# Altium PCB MOTHERBOARD_Hristo_JLC2313.PcbDoc (part 3 of 4)
Units mm, origin at the board's own origin, x right, y up, seen from the top; angles counter-clockwise.
Board outline 100 x 50 mm, 4 copper layers (Top Layer, GND, Power, Bottom Layer), stack 1.548 mm thick; 230 components, 233 nets, 1062 pads, 1045 vias.
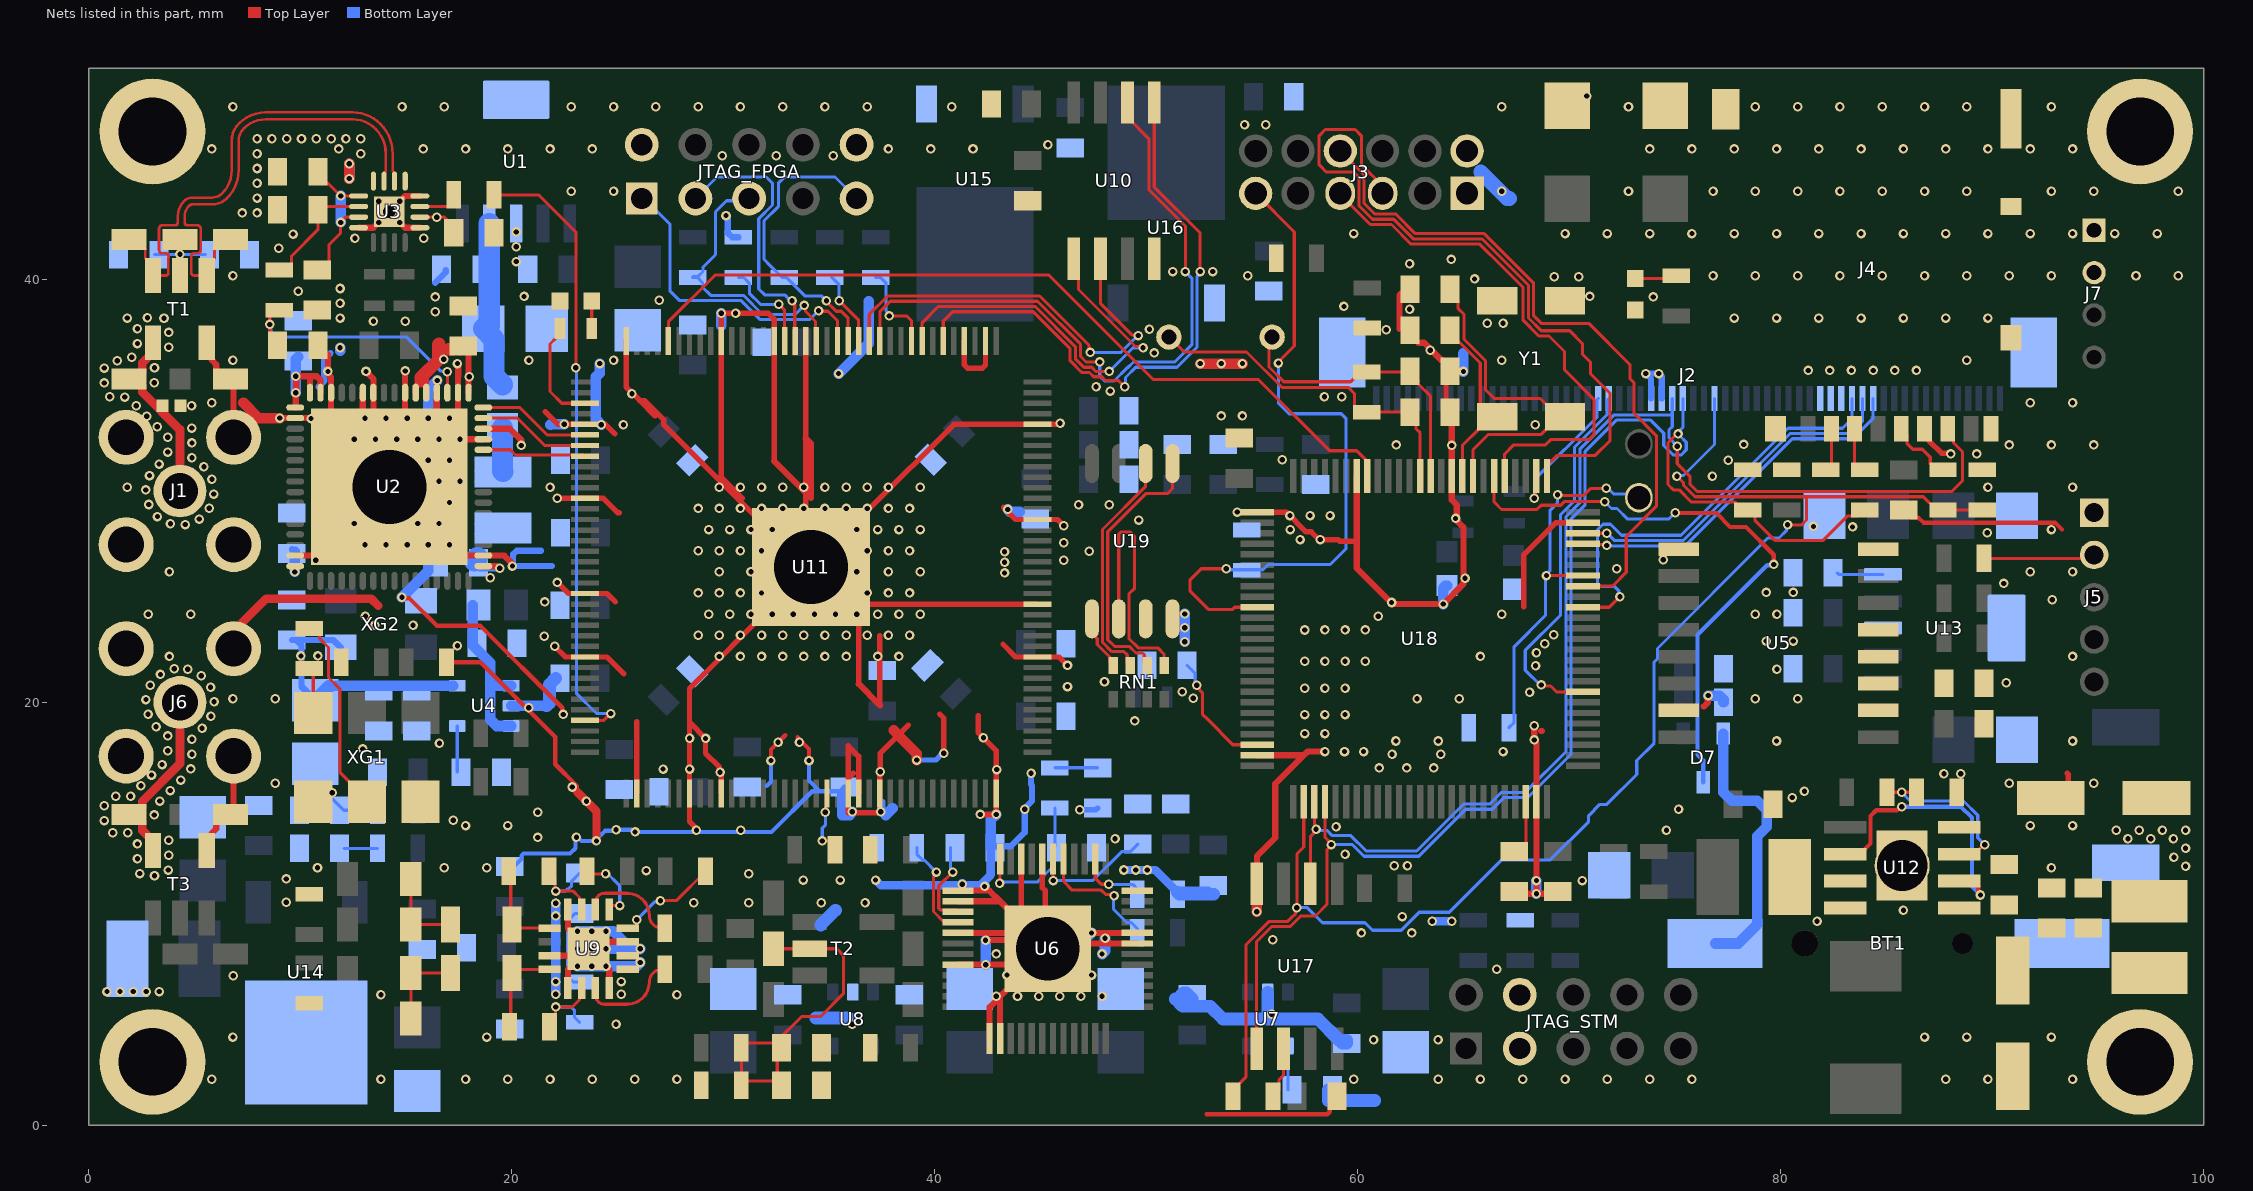
[diagram p5: the nets of this part, all layers, seen from the top]

## Via types
v1: diameter 0.45, hole 0.25, Top Layer to Bottom Layer, tented both sides, 1045 vias

## Nets (pads, with @x,y where several pads share a name; then routed paths per layer and width w, separated by ;. In a path a pad name is that pad's centre, name@x,y a point inside that pad or via, vN(x,y) a via of type N, cw(c..) or ccw(c..) an arc to the next point about the centre after c; other vN are vias at no path point) (continued)
FPGA_FLASH_CE: U10.1 U11.8 | length 19.4
  Top Layer w0.147: U11.8@39.4,37.1 39.4,37.953 40.17,38.723 44.403,38.723 44.753,38.723 46.648,36.828 46.648,36.478 46.648,36.253 47.051,35.85 47.416,35.85 47.616,35.65 v1(48.25,35.65) ; U10.1@46.57,40.975 46.797,40.748 46.797,39.528 49.492,36.833 49.792,36.833 v1(49.85,36.775)
  Bottom Layer w0.147: v1(48.25,35.65) 49.375,36.775 v1(49.85,36.775)
FPGA_FLASH_MISO: U10.2 U11.13 | length 20.5
  Top Layer w0.147: U11.13@36.9,37.1 36.9,38.35 37.77,39.22 44.959,39.22 47.292,36.887 47.292,36.608 v1(47.35,36.55) ; U10.2@47.84,40.975 47.84,38.86 49.319,37.381 49.594,37.381 v1(49.625,37.35)
  Bottom Layer w0.147: v1(47.35,36.55) 48.799,36.55 49.599,37.35 v1(49.625,37.35)
FPGA_FLASH_MOSI: U10.5 U11.6 | length 28.5
  Top Layer w0.147: U11.6@40.4,37.1 40.4,38.025 40.85,38.475 44.65,38.475 46.4,36.725 46.4,36.15 46.948,35.602 47.313,35.602 47.513,35.402 47.897,35.402 48.074,35.225 48.675,35.225 v1(48.977,34.923) ; U10.5@50.38,48.375 50.38,44.37 52.55,42.2 v1(52.55,40.375)
  Bottom Layer w0.147: v1(48.977,34.923) 49.019,34.965 49.019,35.369 49.5,35.85 51.451,35.85 52.407,36.806 52.407,40.15 52.55,40.293 v1(52.55,40.375)
FPGA_FLASH_SCK: U10.6 U11.12 | length 32.1
  Top Layer w0.147: U11.12@37.4,37.1 37.4,38.475 37.897,38.972 44.856,38.972 46.897,36.931 46.897,36.356 47.153,36.1 v1(47.8,36.1) ; U10.6@49.11,48.375 49.11,47.677 50.125,46.662 50.125,44.255 51.85,42.53 v1(51.85,40.375)
  Bottom Layer w0.147: v1(47.8,36.1) 47.8,35.421 48.021,35.2 48.475,35.2 49.125,35.85 49.149,35.85 49.397,36.098 51.348,36.098 52.159,36.909 52.159,40.066 v1(51.85,40.375)
FPGA_SYNC: U11.32 U18.18 | length 39.2
  Top Layer w0.147: U11.32@27.4,37.1 27.4,37.999 29.615,40.214 45.387,40.214 50.333,35.269 55.304,35.269 58.672,31.9 59.947,31.9 60.373,31.474 60.373,30.777 U18.18@60.45,30.7
GND: BT1.1 C1.2 C2.2 C3.2 C4.2 C5.2 C6.1 C7.1 C8.1 C9.1 C10.2 C11.2 C12.2 C14.1 C15.1 C16.2 C17.1 C18.1 C19.1 C20.1 C21.1 C22.1 C23.2 C24.1 C25.1 C26.1 C27.1 C28.1 C29.1 C30.2 C31.2 C32.1 C33.1 C34.1 C35.1 C36.1 C37.2 C38.2 C39.1 C40.1 C41.2 C42.1 C43.2 C44.1 C45.1 C46.1 C47.1 C48.1 C50.1 C56.2 C57.2 C58.2 C59.2 C60.2 C61.2 C62.2 C63.2 C64.2 C65.2 C66.2 C67.2 C68.2 C69.2 C70.2 C71.2 C72.2 C73.2 C74.1 C75.1 C76.1 C77.2 C78.2 C79.2 C80.1 C81.2 C82.1 C83.1 C84.1 C85.2 C86.2 C87.1 C88.1 C89.2 C90.1 C91.1 C92.1 C93.1 C94.1 C95.2 C96.2 C97.2 C98.2 C99.2 C100.1 C101.1 C102.1 C103.2 C104.2 C105.2 C106.2 C107.2 C108.1 C109.1 C110.1 C111.1 C112.2 C113.1 D1.2 D2.2 D3.2 D4.2 D6.2 J1.1 J1.2 J1.3 J1.4 J2.27 J2.28 J2.43 J2.44 J2.45 J2.61 J2.62 J3.1 J3.2 J4.6 J4.MP1 J4.MP2 J4.MP3 J4.MP4 J4.MP5 J4.MP6 J5.1 J6.1 J6.2 J6.3 J6.4 J7.1 J7.2 JTAG_FPGA.2 JTAG_FPGA.10 JTAG_STM.3 JTAG_STM.4 pad. R8.2 R10.2 R12.2 R13.2 R14.2 R19.1 R20.1 R21.1 R26.1 R27.1 R28.1 R31.1 R33.2 R34.1 R41.2 R50.2 R52.1 R59.1 R63.1 T1.6 T1.10 T3.4 T3.11 U1.3 U1.6 U2.2 U2.4 U2.7 U2.10 U2.11 U2.14 U2.18 U2.31 U2.50 U2.61 U2.65 U3.4 U3.9 U3.12 U3.17 U4.2 U5.2 U5.8 U5.9 U5.15 U6.1 U6.2 U6.19 U6.20 U6.24 U6.31 U6.33 U6.37 U6.38 U6.41 U6.44 U6.49 U7.2 U8.2 U9.1 U9.4 U9.5 U9.6 U9.7 U9.12 U9.15 U9.17 U10.4 U11.2 U11.4 U11.19 U11.22 U11.27 U11.36 U11.41 U11.48 U11.57 U11.63 U11.74 U11.79 U11.82 U11.94 U11.95 U11.97 U11.108 U11.118 U11.123 U11.131 U11.140 U11.145 U12.4 U12.8 U12.9 U13.3 U13.6 U14.2 U15.1 U16.1 U17.4 U18.10 U18.19 U18.26 U18.49 U18.74 U18.99 U19.3 U19.4 XG1.3 XG2.2 Y1.2 Y1.3 | length 517.5
  Top Layer w0.2: v1(14.801,24.969) 14.849,24.921 15.153,24.921 16.444,23.63 18.498,23.63 22.378,19.75 22.378,19.479 v1(22.426,19.431) ; R8.2@16.775,21.9 R8.2@16.9,21.9 18.514,21.9 22.05,18.364 22.05,17.075 23.078,16.047 23.078,15.772 ; v1(24.925,13.975) v1@24.925,14.043 ; v1(32.25,17.25) 32.25,17.775 v1(32.588,18.113) 32.925,18.45 ; 33.5,18.35 34.05,17.8 v1(34.05,17.25) ; 52.85,0.525 52.852,0.523 58.558,0.523 58.675,0.641 58.675,1.025 C103.2@59.025,1.375 ; C31.2@85.785,29.1 86.135,28.75 86.505,28.75 86.755,28.5 92.981,28.5 93.306,28.175 ; R19.1@89.525,31 R19.1@89.825,31
  Top Layer w0.254: 21.575,33.75 22.175,33.15 U11.41@23.45,33.15 24.425,33.15 24.875,32.7 ; v1(22.025,22.65) 22.525,22.15 U11.63@23.45,22.15 24.5,22.15 25.3,21.35 ; v1(22.15,25.675) 22.675,25.15 U11.57@23.45,25.15 24.5,25.15 24.9,24.75 ; v1(22.15,29.65) U11.48@23.45,29.65 24.326,29.65 25.001,28.975 25.075,28.975 ; U11.36@25.4,37.1 25.4,34.925 25.7,34.625 26.052,34.273 ; U11.74@25.9,15.7 25.9,19.1 ; 26.775,33.55 26.052,34.273 ; 28.416,19.04 v1(29.158,18.298) 29.158,17.59 29.808,16.94 29.808,16.735 v1(29.846,16.698) ; v1@28.8,13.975 28.4,14.375 U11.79@28.4,15.7 v1(28.4,16.85) v1(28.4,18.3) 28.4,19.04 28.4,20.65 29.9,22.15 30.866,23.116 U11.145@34.15,26.4 ; v1@29.8,16.69 29.9,16.591 U11.82@29.9,15.7 ; U11.145@32.032,25.15 33.282,26.4 U11.145@33.925,26.4 ; 32.4,31.411 U11.22@32.4,37.1 32.4,38.125 32.125,38.4 v1(30.575,38.4) v1(29.9,38.4) U11.27@29.9,37.1 29.9,36.185 29.899,36.184 29.899,30.65 30.34,30.209 30.899,29.65 30.675,29.65 ; U11.19@33.9,37.1 33.9,32.484 33.9,29.911 33.9,29.175 33.9,26.649 U11.145@34.15,26.4 ; v1@35.9,14.775 U11.94@35.9,15.7 35.9,16.4 ; U11.145@35.9,24.649 36.4,24.149 36.4,22.175 36.4,20.876 ; v1(36.1,14.825) 36.15,14.775 37.251,14.775 37.4,14.924 U11.97@37.4,15.7 37.4,16.7 v1(37.425,16.725) 37.425,17.6 38.275,18.45 38.754,18.929 ; 36.15,16.65 35.9,16.4 ; U11.95@36.4,15.7 36.4,17.45 35.9,17.95 35.9,16.4 ; 37.4,23.149 37.4,22.175 37.4,19.876 37.427,19.849 ; 40.225,19.45 40.425,19.25 v1(40.425,17.6) ; U11.4@41.4,37.1 41.4,35.956 41.551,35.805 42.251,35.805 42.4,35.954 U11.2@42.4,37.1 ; 42.05,19.366 42.05,18.581 v1(42.302,18.329) ; v1@42.275,18.35 42.9,17.725 U11.108@42.9,15.7 v1(42.9,14.7) ; 43.225,22.75 43.825,22.15 U11.118@44.85,22.15 45.875,22.15 v1(46.275,21.75) ; v1@43.25,29.225 43.825,28.65 U11.131@44.85,28.65 45.8,28.65 v1(46.1,28.35) ; U6.33@44.089,12.582 44.089,9.594 U6.49@44.589,9.094 ; U11.123@44.85,24.65 35.899,24.65 U11.145@34.15,26.4 ; U6.31@45.089,12.582 45.089,11.236 45.225,11.1 U6.49@45.225,8.458 ; v1(45.925,33.2) 45.872,33.2 45.822,33.15 U11.140@44.85,33.15 40.9,33.15 36.866,29.116 U11.145@34.15,26.4 ; v1(54.3,29) U18.26@55.25,29 56.625,29 57.557,28.068 57.804,28.068 58.172,27.7 59.077,27.7 59.152,27.625 59.95,27.625 ; C111.1@64.175,33.325 C110.1@64.175,35.967 ; 67.85,24.525 67.85,26.975 69.375,28.5 U18.99@70.65,28.5 ; U12.9@84.806,11.175 84.806,12.631 85.113,12.938 pad.@85.275,12.775 ; pad.@85.437,12.938 85.806,12.569 pad.@85.806,11.175 ; J4.6@86.8,32.95 87.023,32.727 87.023,32.37 87.606,31.788 88.012,31.788 v1(88.05,31.75) ; C78.2@92.738,15.475 C78.2@92.775,15.475 92.921,15.475 93.594,16.148 93.594,16.606 93.55,16.65 ; 26.052,34.273 26.277,34.273 27.175,33.374 27.175,33.15 30.228,30.097 30.675,29.65 ; 30.675,29.65 32.228,28.097 U11.145@33.925,26.4 ; U11.145@33.925,26.4 U11.145@34.15,26.4
  Top Layer w0.293: T3.11@5.57,12.99 5.803,13.223 5.803,13.803 6.022,14.022 6.022,14.347 6.375,14.7 T3.4@6.7,14.7 6.84,14.84 J6.2@6.84,17.46 J6.2@6.84,17.96 ; T1.10@5.57,37.01 5.803,36.777 5.803,36.197 6.022,35.978 6.022,35.653 6.375,35.3 T1.6@6.7,35.3 6.84,35.16 J1.3@6.84,32.54 J1.3@6.84,32.04 ; v1(9.027,33.447) U2.18@9.75,33.447 10.95,33.447 U2.65@11.45,32.947 ; U2.31@9.75,26.947 10.95,26.947 U2.65@14.2,30.197 ; C12.2@10.825,36.9 10.825,36.754 11.128,36.45 11.3,36.45 v1(11.3,35.65) 11.33,35.62 11.33,35.495 11.449,35.376 11.449,34.648 U2.14@11.45,34.647 U2.65@11.45,32.947 ; U3.4@12.75,42.45 13.45,42.45 v1(13.7,42.7) U3.17@14.2,43.2 ; U2.11@12.95,34.647 U2.65@12.95,31.447 ; v1(13.1,35.65) 13.45,35.3 U2.10@13.45,34.647 U2.65@13.45,30.947 ; v1(14.95,35.675) 14.95,33.444 U2.65@14.95,30.947 ; U3.9@15.65,42.45 14.95,42.45 U3.17@14.2,43.2 ; U3.12@15.65,43.95 14.95,43.95 U3.17@14.2,43.2 ; v1(16.475,35.225) 16.451,35.201 16.451,34.648 U2.4@16.45,34.647 U2.65@16.45,32.447 ; v1(17.425,36.025) 17.425,35.983 17.464,35.944 17.464,35.424 17.45,35.41 U2.2@17.45,34.647 17.45,33.447 U2.65@16.45,32.447 ; U2.61@18.65,32.447 v1(17.55,32.447) v1(16.55,32.447) U2.65@16.45,32.447 ; v1(20.025,26.45) 19.995,26.48 19.995,26.593 19.641,26.947 U2.50@18.65,26.947 17.45,26.947 U2.65@14.2,30.197 ; 32.4,31.411 33.9,29.911 34.15,29.661 34.15,32.234 33.9,32.484 ; 36.4,20.876 37.4,19.876 ; U6.44@41.1,7.6 v1(42.41,7.6) 43.72,7.6 43.857,7.736 44.434,7.736 U6.49@44.583,7.588 ; U6.41@41.1,9.1 41.103,9.097 44.586,9.097 45.339,8.344 U6.49@45.333,8.338 ; U6.38@41.1,10.6 43.083,10.6 ; U6.37@41.1,11.1 42.583,11.1 43.083,10.6 ; v1(42.4,8.75) 42.418,8.768 44.276,8.768 44.589,9.081 45.219,8.452 U6.49@45.333,8.338 ; U6.1@42.589,4.106 42.589,5.594 v1@43.089,6.094 ; U6.2@43.089,4.106 v1@43.089,6.094 ; U6.49@44.089,9.594 43.083,10.6 ; U6.49@44.589,7.581 U6.49@44.583,7.588 ; U6.49@45.338,8.35 45.588,8.6 U6.19@49.576,8.6 ; U6.49@46.469,8.614 46.956,9.1 v1(47.41,9.1) U6.20@49.576,9.1 ; U17.4@55.22,11.425 55.243,11.448 55.243,12.74 56.1,13.597 56.1,16.15 57.45,17.5 ; U18.49@55.25,17.5 57.45,17.5 ; v1(58.45,17.675) 57.625,17.675 57.45,17.5 ; U18.19@59.95,30.7 59.95,26.35 61.65,24.65 v1(64.05,24.65) 65,25.6 65,28.283 64.625,28.658 64.625,28.742 64.686,28.804 64.686,29.339 64.45,29.576 U18.10@64.45,30.7 64.448,30.702 64.448,32.148 v1@64.45,32.15 ; 61.975,37.667 61.975,39.25 C106.2@62.275,39.55 ; C107.2@62.275,37.508 62.375,37.508 62.878,37.005 63.137,37.005 63.972,36.17 64.072,36.17 64.175,36.067 C110.1@64.175,35.967 ; C111.1@64.175,33.325 64.343,33.325 64.446,33.222 v1(64.446,32.154) ; C109.1@67.4,11.05 67.5,10.95 v1(68.45,10.95) ; v1(68.35,18.225) v1(68.349,18.9) ; v1(68.35,18.225) 68.35,18.183 68.45,18.083 U18.74@68.45,15.3 v1(68.45,11.575) v1(68.45,10.95) ; C84.1@69.45,11.05 69.35,10.95 v1(68.45,10.95) ; U5.15@75.188,19.625 U5.15@75.366,19.803 ; 76.364,19.803 76.553,19.993 76.553,20.303 v1(76.575,20.325) ; U2.65@11.45,32.947 U2.65@12.95,31.447 ; U2.65@12.95,31.447 U2.65@13.45,30.947 ; U2.65@13.45,30.947 U2.65@14.2,30.197 ; U2.65@14.2,30.197 U2.65@14.95,30.947 ; U2.65@14.95,30.947 U2.65@16.45,32.447 ; v1@43.089,6.094 U6.49@44.583,7.588 ; U6.49@44.583,7.588 U6.49@45.333,8.338
  Top Layer w0.3: U9.15@21.775,8.025 U9.17@23.3,8.025 ; U9.1@22.65,6.5 22.65,7.375 U9.17@23.3,8.025 ; U9.12@22.65,10.2 22.65,9.325 U9.17@23.625,8.35 ; U9.4@24.6,6.5 24.6,7.375 U9.17@23.625,8.35 ; U9.7@25.475,8.675 23.95,8.675 U9.17@23.625,8.35 ; v1(42.15,14.7) v1(42.9,14.7) ; 68.665,18.65 68.7,18.65 ; U9.17@23.3,8.025 U9.17@23.625,8.35
  Top Layer w0.4: J6.3@6.675,23.2 8.375,24.9 13.35,24.9 13.675,24.575 ; 23.078,15.772 v1(23.525,15.325) 24,14.85 v1(24,13.45)
  Top Layer w0.5: 7.306,34.175 8.034,33.447 v1(9.027,33.447) ; v1(12.306,44.775) v1(12.306,45.475) ; 38.05,18.675 38.275,18.45 39.15,17.575 v1(39.15,17.275) ; v1(52.55,36.025) v1(53.55,36.025) v1(54.55,36.025) ; U17.4@55.22,11.425 55.225,11.42 v1(55.225,10.1)
  Bottom Layer w0.2: C45.1@19.9,12.05 20.45,12.6 20.45,12.75 20.55,12.85 22.75,12.85 23.002,13.102 23.002,13.577 v1(23.05,13.625) 23.117,13.625 23.292,13.45 v1(24,13.45) 24,13.518 24.125,13.643 24.125,13.647 24.405,13.927 24.877,13.927 v1(24.925,13.975) 25.657,13.975 25.757,13.875 v1(25.825,13.875) 32.278,13.875 34.203,15.8 34.55,15.8 ; 32.05,16.05 32.25,16.25 v1(32.25,17.25) ; v1(34.05,17.25) 34.05,16.3 34.55,15.8 ; C60.2@35.725,15.8 34.55,15.8
  Bottom Layer w0.254: C60.2@35.725,15.8 C60.2@35.725,16 ; v1@37.552,14.701 37.552,15.307 ; v1(39.15,17.275) 40.047,17.275 40.372,17.6 v1(40.425,17.6) ; v1(46.85,14.925) 47.625,14.925 C34.1@47.7,15 ; R31.1@51.475,11.175 52.941,11.175 C82.1@53.191,10.925
  Bottom Layer w0.293: 10.85,34.925 11.125,35.2 11.125,36.225 11.425,36.525 ; C6.1@16.372,39.85 16.875,40.353 C6.1@16.875,40.45 ; 21.375,27.175 20.227,27.175 20.055,27.003 20.055,26.48 v1(20.025,26.45) 21.9,26.45 ; C32.1@42.65,13.125 42.725,13.2 43.6,13.2 44.25,13.85 v1(44.25,14.95) 44.25,14.992 44.598,15.341 44.598,16.063 44.55,16.111 v1(44.55,16.65) ; J2.27@73.875,34.375 73.875,35.3 v1(73.625,35.55) v1(74.236,35.55) 74.375,35.411 J2.28@74.375,34.375
  Bottom Layer w0.3: v1(30.125,43.025) 30.125,42.984 30.212,42.897 30.212,42.2 30.412,42 R50.2@30.712,42
  Bottom Layer w0.4: v1(37.2,11.6) 37.45,11.35 41.3,11.35 41.35,11.35 42.151,11.35 42.65,11.849 C32.1@42.65,13.125 ; v1(48.946,12.075) v1(49.498,12.075) v1(50.05,12.075) 50.425,12.075 R31.1@51.475,11.025 ; v1(63.525,9.65) v1(64.45,9.65)
  Bottom Layer w0.45: v1(22.075,6.2) v1(22.075,6.8) v1(22.075,9.9) v1(22.075,10.5)
  Bottom Layer w0.5: v1@11.875,36.625 v1(11.875,36.775) ; v1(12.306,44.775) v1(12.306,45.475) ; v1(14.801,24.969) 16.05,26.218 v1(16.05,27.462) v1(17.05,27.462) ; v1(16.05,33.444) 16.05,34.8 v1(16.475,35.225) ; U4.2@19.966,19.835 21.635,19.835 ; 21.825,33.125 21.85,33.15 v1(22.475,33.15) ; v1(24.15,36.025) 24.15,35.575 23.975,35.4 23.975,33.385 v1(24.227,33.133) ; v1(26.075,7.7) 25.9,7.525 v1(24.45,7.525) v1(23.775,7.525) v1(23.1,7.525) v1(23.1,8.35) ; 29.9,37.825 v1(29.9,38.4) ; v1(35.45,35.55) 36.875,36.975 36.875,38.975 ; C60.2@35.725,15.8 35.625,15.7 35.625,14.675 35.975,14.675 36.1,14.8 v1(36.1,14.825) ; 37.675,14.675 38,15 ; v1@41.3,11.225 41.3,11.35 v1(41.3,11.4) 41.35,11.35 41.4,11.299 v1(42.354,11.299) ; v1(42.4,8.75) 42.41,8.74 v1(42.41,7.6) ; C32.1@42.65,13.125 42.65,14.45 v1(42.9,14.7) ; v1(43.45,29.125) 43.55,29.025 44.025,29.025 ; 43.586,8.924 44.764,8.924 U6.49@45.338,8.35 45.912,8.924 47.234,8.924 v1(47.41,9.1) ; v1(47.91,8.103) 48.05,8.243 v1(48.05,8.85) ; v1(51.825,22.866) v1(51.825,23.525) v1(51.825,24.184) ; v1(64.05,24.65) 64.05,25.35 cw(c64.225,25.35) C86.2@64.225,25.525 ; v1(65,35.65) 65,36.5 ; v1(68.45,10.95) v1(68.45,11.575) ; v1(76.575,20.325) 77.1,20.325 77.3,20.125 C28.1@77.3,20 ; pad.@85.75,12.285 pad.@85.75,13.371 ; v1(23.1,8.35) v1(23.1,9.175) v1(23.775,9.175) v1(24.45,9.175) 24.8,9.175 25.625,8.35 ; v1(23.1,8.35) v1(23.775,8.35) v1(24.45,8.35) 25.625,8.35 ; 25.625,8.35 v1(26.075,8.35) 26.05,8.325 25.65,8.325 25.625,8.35
  Bottom Layer w0.6: 21.635,19.835 21.775,19.975 21.775,20.85 C58.2@22.075,21.15 ; 34.375,5.075 35.922,5.075 ; 34.6,9.469 35.306,10.175 ; R31.1@51.475,11.025 51.575,10.925 C82.1@53.191,10.925 ; C39.1@52.175,5.975 51.875,6.275 51.775,6.275 51.475,5.975 51.375,5.975 51.725,5.625 53.025,5.625 53.625,5.025 55.75,5.025 ; U7.2@55.75,6.3 55.75,5.025 ; C40.1@58.6,1.675 58.6,1.175 60.806,1.175 ; C36.1@59.475,3.875 59.275,3.875 C36.1@59.125,4.025 ; C36.1@59.475,4.025 C36.1@59.125,4.025 ; 55.75,5.025 58.125,5.025 C36.1@59.125,4.025
  Bottom Layer w0.7: 65.815,45.082 67.067,43.83 67.18,43.83
  other v1: 5.806,2.175 13.806,2.175 17.806,2.175 19.806,2.175 21.806,2.175 23.806,2.175 25.806,2.175 27.806,2.175 59.806,2.175 63.806,2.175 65.806,2.175 67.806,2.175 69.806,2.175 71.806,2.175 73.806,2.175 75.806,2.175 87.806,2.175 89.806,2.175 93.806,2.175 60.75,4.05 63.8,4.05 6.806,4.175 18.806,4.175 86.806,4.175 88.806,4.175 92.806,4.175 24.925,4.775 36.1,4.775 55.925,5.25 42.91,6.109 43.91,6.109 44.91,6.109 45.91,6.109 46.91,6.109 47.91,6.109 13.806,6.175 27.806,6.175 25.175,6.2 25.175,6.8 6.825,7.075 43.41,7.106 47.41,7.106 66.575,7.375 42.91,8.103 55.975,8.775 60.175,9.1 62.55,9.1 81.725,9.65 62.1,9.875 85.806,10.175 28.6,10.525 31.2,10.525 34.625,10.525 36.7,10.525 9.325,10.55 70.625,11.575 33.775,11.6 35.525,11.6 9.325,11.65 3.098,11.806 2.401,11.908 31.2,11.9 26.35,12.05 3.75,12.071 10.806,12.175 16.806,12.175 18.806,12.175 92.806,12.175 61.725,12.275 62.35,12.275 2.291,12.603 3.769,12.775 59.4,12.825 2.291,13.307 3.769,13.479 48.525,13.55 21.227,13.615 1.128,13.841 1.832,13.841 28.725,13.95 30.825,13.95 74.6,13.95 58.975,14.125 17.806,14.175 19.806,14.175 91.806,14.175 93.806,14.175 0.716,14.412 17.225,14.425 3.084,14.677 21.225,14.8 37.45,14.825 75.175,14.95 0.716,15.116 3.34,15.333 80.55,15.5 1.264,15.559 1.968,15.559 81.125,15.8 3.838,15.831 22.85,16 2.458,16.065 8.806,16.175 90.806,16.175 94.806,16.175 4.336,16.329 2.956,16.563 87.725,16.625 88.525,16.625 42.925,16.825 4.807,16.852 27.15,16.85 61.025,16.9 62.325,16.9 63.6,16.9 3.453,17.06 61.625,17.55 63.925,17.55 4.871,17.553 59.375,17.675 60.275,17.675 66.875,17.675 3.729,17.708 12.95,17.8 16.575,18.075 33.6,18.113 61.806,18.175 63.806,18.175 79.806,18.175 93.806,18.175 4.871,18.257 3.729,18.412 57.5,18.525 58.45,18.525 5.347,18.775 3.173,18.843 49.45,19.125 5.768,19.34 57.5,19.425 58.45,19.425 59.4,19.425 2.792,19.436 20.8,19.75 5.915,20.028 2.695,20.133 6.806,20.175 8.806,20.175 62.806,20.175 64.806,20.175 78.806,20.175 80.806,20.175 52.225,20.2 68.125,20.475 51.7,20.5 57.5,20.675 58.45,20.675 59.4,20.675 5.747,20.712 46.275,20.75 2.902,20.806 90.675,20.925 48.025,20.975 5.303,21.259 3.381,21.323 4.033,21.588 4.673,21.574 79.825,21.575 68.408,21.733 57.5,21.95 58.45,21.95 59.4,21.95 60.35,21.95 3.806,22.175 29.806,22.175 30.806,22.175 31.806,22.175 32.806,22.175 33.806,22.175 34.806,22.175 35.806,22.175 37.306,22.175 38.306,22.175 65.806,22.175 93.806,22.175 68.45,22.35 17.425,22.675 68.85,22.775 79.325,22.9 80.6,22.9 21.525,23.125 28.806,23.175 29.806,23.175 30.806,23.175 31.806,23.175 32.806,23.175 33.806,23.175 34.806,23.175 35.806,23.175 36.806,23.175 37.806,23.175 38.806,23.175 69.275,23.2 57.5,23.425 58.45,23.425 59.4,23.425 60.35,23.425 13.525,23.65 15.325,23.65 13.075,24.075 60.975,24.075 2.806,24.175 4.806,24.175 29.306,24.175 30.306,24.175 31.306,24.175 32.306,24.175 33.306,24.175 34.306,24.175 35.306,24.175 36.306,24.175 37.306,24.175 38.306,24.175 39.306,24.175 66.806,24.175 78.806,24.175 79.825,24.175 61.6,24.725 21.55,24.75 92.85,24.85 28.806,25.175 29.806,25.175 30.806,25.175 31.806,25.175 36.806,25.175 37.806,25.175 38.806,25.175 79.325,25.2 80.6,25.2 90.55,25.625 65.075,25.875 43.3,26.125 3.806,26.175 29.806,26.175 31.306,26.175 36.306,26.175 37.806,26.175 39.306,26.175 91.806,26.175 93.806,26.175 72.25,26.325 43.3,26.625 10.725,26.725 46.1,26.725 74.45,26.75 43.3,27.125 47.3,27.15 28.806,27.175 29.806,27.175 30.806,27.175 31.806,27.175 36.806,27.175 37.806,27.175 38.806,27.175 13.05,27.462 14.05,27.462 15.05,27.462 46.1,27.55 57.275,27.7 58.225,27.7 89.775,28.025 29.306,28.175 30.306,28.175 31.306,28.175 32.306,28.175 36.306,28.175 37.306,28.175 38.306,28.175 39.306,28.175 56.806,28.175 92.806,28.175 83.4,28.3 81.55,28.322 4.555,28.411 3.852,28.447 12.55,28.459 15.55,28.459 16.55,28.459 49.65,28.625 5.21,28.67 64.625,28.7 3.236,28.788 56.794,28.836 57.744,28.836 58.694,28.836 5.692,29.183 28.806,29.175 29.806,29.175 30.806,29.175 31.806,29.175 32.806,29.175 33.806,29.175 34.806,29.175 35.806,29.175 36.806,29.175 37.806,29.175 38.806,29.175 2.824,29.359 46.8,29.35 48.25,29.35 17.05,29.456 5.904,29.854 2.684,30.049 1.806,30.175 21.806,30.175 29.806,30.175 30.806,30.175 31.806,30.175 32.806,30.175 33.806,30.175 34.806,30.175 35.806,30.175 36.806,30.175 37.806,30.175 39.306,30.175 89.806,30.175 93.806,30.175 16.55,30.453 17.55,30.453 5.813,30.552 76.775,30.7 2.861,30.731 5.436,31.147 3.313,31.271 16.05,31.45 17.05,31.45 77.525,31.45 56.425,31.475 4.871,31.567 89.275,31.75 3.729,31.839 61.825,32.175 90.806,32.175 92.806,32.175 94.806,32.175 78.25,32.2 4.871,32.271 12.55,32.447 13.55,32.447 14.55,32.447 15.55,32.447 3.729,32.543 4.863,32.975 3.231,33.04 25.275,33.125 68.4,33.125 10.5,33.425 13.05,33.444 14.05,33.444 15.05,33.444 17.05,33.444 2.734,33.538 53.55,33.55 54.55,33.55 4.85,34.025 2.236,34.036 5.806,34.175 91.806,34.175 93.806,34.175 1.688,34.441 0.984,34.459 58.425,34.45 59.25,34.45 25.675,34.6 48.3,34.725 47.625,34.925 0.716,35.11 3.084,35.122 81.3,35.7 82.325,35.7 83.35,35.7 84.375,35.7 85.4,35.7 86.425,35.7 0.719,35.814 3.098,35.826 1.333,36.159 6.806,36.175 20.806,36.175 24.806,36.175 66.806,36.175 88.806,36.175 2.018,36.321 50.375,36.525 63.425,36.65 3.769,36.794 2.291,36.97 3.769,37.498 61.35,37.625 50.15,37.65 2.291,37.674 66.125,37.925 66.875,37.925 13.45,38.025 14.95,38.025 1.806,38.175 3.547,38.167 11.875,38.175 77.806,38.175 79.806,38.175 81.806,38.175 83.806,38.175 85.806,38.175 87.806,38.175 89.806,38.175 2.766,38.194 16.375,38.475 62.45,38.6 59.35,38.725 11.875,38.875 26.975,39.025 16.375,39.175 73.975,39.175 20.575,39.2 70.975,39.2 9.9,39.45 11.875,39.575 65.525,40.025 69.3,40.125 70.45,40.125 6.806,40.175 54.806,40.175 76.806,40.175 78.806,40.175 80.806,40.175 82.806,40.175 84.806,40.175 86.806,40.175 88.806,40.175 90.806,40.175 92.806,40.175 96.806,40.175 98.806,40.175 51.25,40.375 53.15,40.375 62.45,40.75 20.2,40.85 64.425,40.95 8.975,41.475 20.2,41.55 12.575,41.95 15.825,41.95 9.65,42.15 59.806,42.175 69.806,42.175 71.806,42.175 73.806,42.175 75.806,42.175 77.806,42.175 79.806,42.175 81.806,42.175 83.806,42.175 85.806,42.175 87.806,42.175 89.806,42.175 91.806,42.175 93.806,42.175 95.806,42.175 97.806,42.175 20.2,42.25 14.7,42.7 7.25,43.15 7.95,43.15 13.7,43.7 14.7,43.7 7.95,43.85 22.806,44.175 24.806,44.175 66.806,44.175 72.806,44.175 76.806,44.175 78.806,44.175 80.806,44.175 82.806,44.175 84.806,44.175 86.806,44.175 88.806,44.175 92.806,44.175 94.806,44.175 98.806,44.175 7.95,44.55 7.95,45.25 29.95,45.85 32.5,45.85 35.2,45.85 7.95,45.95 12.85,45.95 5.806,46.175 11.806,46.175 15.806,46.175 17.806,46.175 19.806,46.175 21.806,46.175 23.806,46.175 37.806,46.175 39.806,46.175 41.806,46.175 73.806,46.175 75.806,46.175 77.806,46.175 79.806,46.175 81.806,46.175 83.806,46.175 85.806,46.175 87.806,46.175 89.806,46.175 91.806,46.175 93.806,46.175 45.35,46.375 7.95,46.65 8.65,46.65 9.35,46.65 10.05,46.65 10.75,46.65 11.45,46.65 12.15,46.65 12.85,46.65 54.65,47.325 55.65,47.325 6.806,48.175 14.806,48.175 16.806,48.175 22.806,48.175 24.806,48.175 26.806,48.175 28.806,48.175 30.806,48.175 32.806,48.175 34.806,48.175 36.806,48.175 40.806,48.175 66.806,48.175 72.806,48.175 78.806,48.175 80.806,48.175 82.806,48.175 84.806,48.175 86.806,48.175 88.806,48.175 92.806,48.175 70.825,48.675